# Altium PCB uTCA_MCH_PCB3.pcbdoc (part 19 of 25)
Units mil, origin at the board's own origin, x right, y up, seen from the top; angles counter-clockwise.
Board outline 7110.66 x 2894.12 mil, 12 copper layers (Top Layer, GND1, MidLayer1, PWR1, MidLayer2, GND2, PWR2, MidLayer3, GND3, MidLayer4, PWR3, Bottom Layer), stack 63.15 mil thick; 767 components, 905 nets, 4553 pads, 2832 vias.
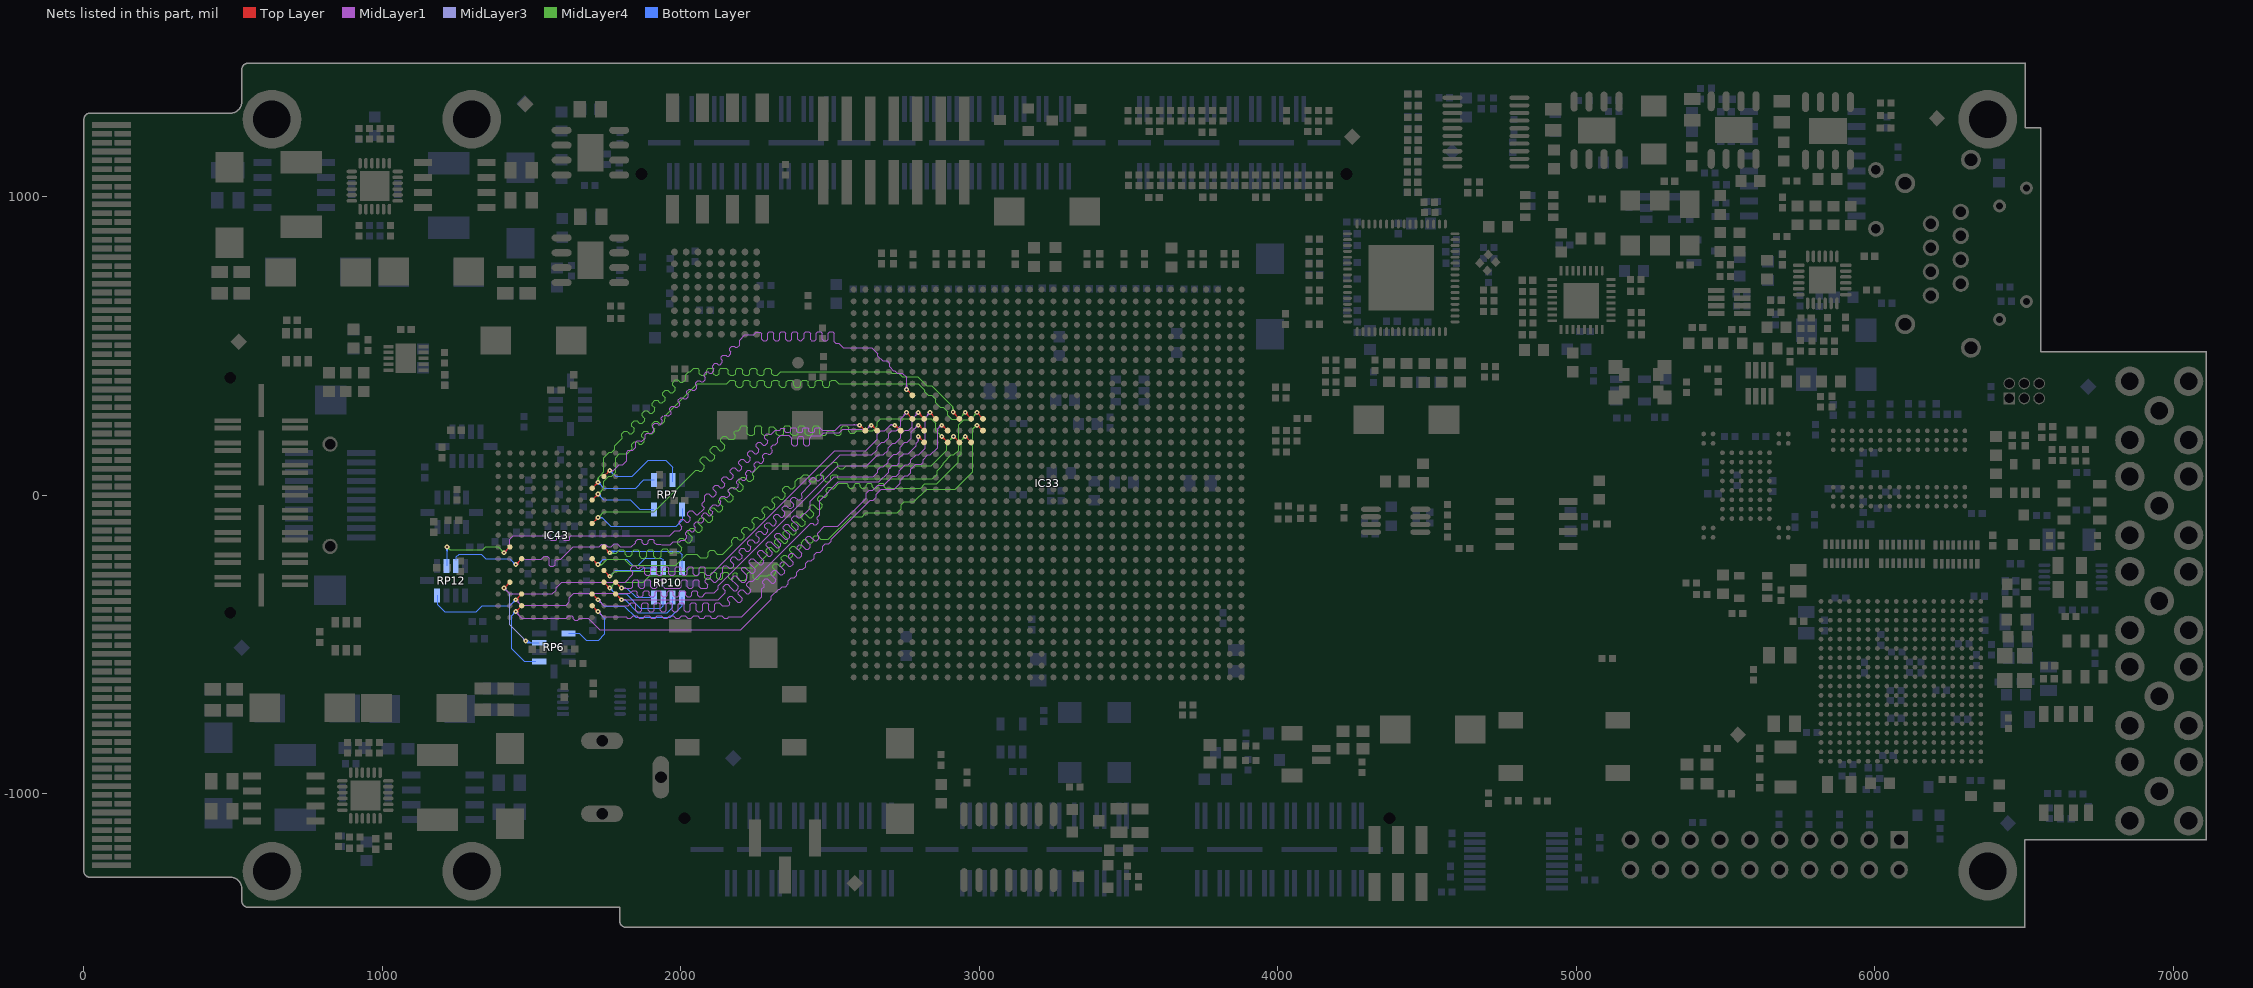
[diagram p29: the nets of this part, all layers, seen from the top]

## Via types
v1: diameter 15.75, hole 5.91, Top Layer to Bottom Layer, tented both sides, 2480 vias
v2: diameter 23.62, hole 11.81, Top Layer to Bottom Layer, tented both sides, 325 vias
v3: diameter 20, hole 10, Top Layer to Bottom Layer, tented both sides, 16 vias
v4: diameter 15.75, hole 7.87, Top Layer to Bottom Layer, tented both sides, 9 vias
v5: diameter 23.62, hole 11.81, Top Layer to Bottom Layer, 1 vias
v6: diameter 15.75, hole 5.91, Top Layer to Bottom Layer, 1 vias

## Nets (pads, with @x,y where several pads share a name; then routed paths per layer and width w, separated by ;. In a path a pad name is that pad's centre, name@x,y a point inside that pad or via, vN(x,y) a via of type N, cw(c..) or ccw(c..) an arc to the next point about the centre after c; other vN are vias at no path point) (continued)
Q2_D13: IC33.AN13 IC43.G10 RP12.3 | length 2350.1
  Top Layer w3.94: v1(1407.48,-192.91) IC43.G10@1427.17,-173.23 ; v1@1407.48,-187.01 ccw(c1407.48,-172.75) 1417.56,-182.83 ccw(c1427.64,-192.91) v1@1413.39,-192.91 ; v1@2598.42,228.35 cw(c2598.42,209.32) IC33.AN13@2611.87,222.77 ; v1@2598.42,232.28 cw(c2598.42,222.76) 2605.15,229.5 ; v1@2598.43,236.22 2599.41,235.24 IC33.AN13@2618.11,216.54 ; v1@2604.33,234.25 ccw(c2613.82,234.25) 2607.11,227.54
  MidLayer1 w3.94: v1(1407.48,-192.91) 1427.17,-173.23 1427.17,-147.64 1438.98,-135.83 1559.74,-135.83 1562.99,-139.07 1562.99,-148.33 1566.24,-151.57 1581.4,-151.57 1584.65,-148.33 1584.65,-139.07 1587.89,-135.83 1603.05,-135.83 1606.3,-139.07 1606.3,-148.33 1609.55,-151.57 1624.7,-151.57 1627.95,-148.33 1627.95,-139.07 1631.2,-135.83 1962.6,-135.83 1979.36,-119.07 1996.06,-119.07 2003.23,-111.9 2003.23,-104.72 1993.7,-95.19 1993.7,-88.02 2000.88,-80.84 2008.05,-80.84 2017.58,-90.37 2024.76,-90.37 2031.93,-83.2 2031.93,-76.02 2022.4,-66.5 2022.4,-59.32 2029.57,-52.15 2037.38,-52.15 2051.18,-65.94 2057.09,-65.94 2077.76,-45.28 2077.76,-41.34 2071.85,-35.43 2071.85,-26.57 2080.71,-17.72 2080.71,-1.01 2086.97,5.24 2094.14,5.24 2103.67,-4.28 2110.84,-4.28 2118.02,2.89 2118.02,10.06 2108.49,19.59 2108.49,26.77 2115.66,33.94 2122.84,33.94 2132.37,24.41 2139.54,24.41 2146.71,31.59 2146.71,38.76 2137.19,48.29 2137.19,55.46 2144.36,62.64 2151.53,62.64 2161.06,53.11 2168.24,53.11 2175.41,60.28 2175.41,67.46 2165.88,76.99 2165.88,84.16 2173.06,91.33 2180.23,91.33 2189.76,81.8 2196.93,81.8 2204.11,88.98 2204.11,96.15 2194.58,105.68 2194.58,112.86 2201.75,120.03 2208.93,120.03 2218.45,110.5 2225.63,110.5 2232.8,117.67 2232.8,124.85 2223.27,134.38 2223.27,141.55 2230.45,148.73 2237.62,148.73 2247.15,139.2 2254.33,139.2 2261.5,146.37 2261.5,153.54 2251.97,163.07 2251.97,170.25 2259.14,177.42 2266.32,177.42 2275.85,167.89 2283.02,167.89 2290.2,175.07 2290.2,182.24 2280.67,191.77 2280.67,198.94 2287.84,206.12 2295.01,206.12 ; v1@1407.48,-187.01 ccw(c1407.48,-172.75) 1417.56,-182.83 ccw(c1427.64,-192.91) v1@1413.39,-192.91 ; 2296.19,204.94 2303.37,204.94 2316.93,218.5 2330.91,218.5 2336.38,223.98 2345.71,223.98 2347.37,222.32 2347.37,214.69 2351.42,210.63 2363.6,210.63 2367.66,214.69 2367.66,222.32 2371.72,226.38 2383.89,226.38 2387.95,222.32 2387.95,214.69 2392.01,210.63 2404.18,210.63 2408.24,214.69 2408.24,222.32 2412.3,226.38 2424.47,226.38 2428.53,222.32 2428.53,214.69 2432.59,210.63 2444.76,210.63 2448.82,214.69 2448.82,222.32 2452.88,226.38 2465.06,226.38 2472.93,218.5 2517.72,218.5 2535.43,236.22 v1@2598.03,236.22 ; 2579.41,236.22 cw(c2579.41,215.24) v1@2594.24,230.08 ; v1@2594.24,238.43 cw(c2588.92,243.75) 2588.92,236.22 cw(c2588.91,224.74) v1@2597.03,232.86
  MidLayer4 w3.94: v1(1216.54,-173.23) 1226.38,-183.07 ; v1@1216.64,-179.13 cw(c1216.87,-192.58) 1226.38,-183.07 ; v1@1222.44,-173.33 ccw(c1235.89,-173.56) 1226.38,-183.07 ; v1@1401.57,-192.91 ccw(c1387.32,-192.91) 1397.4,-182.83 ccw(c1407.48,-172.75) v1@1407.48,-187.01 ; v1(1407.48,-192.91) 1387.79,-173.23 1346.46,-173.23 1336.61,-183.07 1226.38,-183.07
  Bottom Layer w3.94: v1@1212.36,-177.4 cw(c1202.28,-187.48) 1216.53,-187.48 cw(c1230.8,-187.49) v1@1220.71,-177.4 ; RP12.3@1216.53,-236.22 v1(1216.54,-173.23)
  other v1: 2598.42,234.25
Q2_D14: IC33.AM13 IC43.F9 RP12.4 | length 2243
  Top Layer w3.94: v1(1446.85,-232.28) IC43.F9@1466.54,-212.6 ; v1@1446.85,-226.38 ccw(c1446.85,-212.12) 1456.93,-222.2 ccw(c1467.01,-232.28) v1@1452.76,-232.28 ; v1@2637.79,228.35 cw(c2637.79,209.32) IC33.AM13@2651.24,222.77 ; v1@2637.79,232.28 cw(c2637.79,222.76) 2644.52,229.5 ; v1@2637.8,236.22 2638.78,235.24 IC33.AM13@2657.48,216.54 ; v1@2643.7,234.25 ccw(c2653.19,234.25) 2646.48,227.54
  MidLayer1 w3.94: v1(1446.85,-232.28) 1464.57,-214.57 1532.63,-214.57 1542.5,-204.7 ; v1@1446.85,-226.38 ccw(c1446.85,-212.12) 1456.93,-222.2 ccw(c1467.01,-232.28) v1@1452.76,-232.28 ; 1543.31,-204.72 1552.17,-204.72 1559.06,-211.61 1559.06,-234.18 1563.07,-238.19 1573.21,-238.19 1578.29,-233.12 1578.29,-219.64 1583.36,-214.57 1598.14,-214.57 1639.47,-173.23 1726.38,-173.23 1735.57,-164.04 1746,-164.04 1755.19,-173.23 1766.3,-173.23 1771.37,-168.16 ; 1771.37,-167.93 1776.44,-162.86 1786.58,-162.86 1796.95,-173.23 1834.04,-173.23 1848.43,-158.84 1848.43,-155.51 ; 1847.9,-155.51 1855.77,-147.64 1865.92,-147.64 1870.99,-152.71 1870.99,-158.31 1876.06,-163.39 1886.21,-163.39 1891.28,-158.31 1891.28,-152.71 1896.35,-147.64 1906.5,-147.64 1911.57,-152.71 1911.57,-158.31 1916.64,-163.39 1933.07,-163.39 1936.02,-166.34 1964.42,-166.34 1975.25,-155.51 1996.06,-155.51 2001.26,-150.32 2012.39,-150.32 2019.57,-143.14 2019.57,-135.97 2017.59,-133.99 2015.6,-132.01 2015.6,-124.83 2022.78,-117.66 2029.95,-117.66 2031.93,-119.64 2033.91,-121.62 2041.09,-121.62 2048.26,-114.45 2048.26,-107.27 2046.28,-105.29 2044.3,-103.31 2044.3,-96.14 2051.47,-88.96 2058.65,-88.96 2060.63,-90.95 2062.61,-92.93 2069.78,-92.93 2076.96,-85.75 2076.96,-78.58 2069.88,-71.5 2069.88,-67.91 2078.74,-59.06 2083.66,-59.06 2093.5,-68.9 2098.43,-68.9 2106.3,-61.02 2106.3,-56.1 2098.43,-48.23 2098.43,-42.01 2108.87,-31.57 2116.04,-31.57 2118.02,-33.55 2120,-35.53 2127.18,-35.53 2134.35,-28.36 2134.35,-21.19 2132.37,-19.2 2130.39,-17.22 2130.39,-10.05 2137.56,-2.88 2144.74,-2.88 2146.72,-4.86 2148.7,-6.84 2155.87,-6.84 2163.05,0.34 2163.05,7.51 2161.07,9.49 2159.09,11.47 2159.09,18.65 2166.26,25.82 2173.43,25.82 2175.41,23.84 2177.4,21.86 2184.57,21.86 2191.74,29.03 2191.74,36.21 2189.76,38.19 2187.78,40.17 2187.78,47.34 2194.96,54.52 2202.13,54.52 2204.11,52.54 2206.09,50.56 2213.27,50.56 2220.44,57.73 2220.44,64.9 2218.46,66.88 2216.48,68.86 2216.48,76.04 2223.65,83.21 2230.83,83.21 2232.81,81.23 2234.79,79.25 2241.96,79.25 2249.14,86.43 2249.14,93.6 2247.16,95.58 2245.17,97.56 2245.17,104.74 2252.35,111.91 2259.52,111.91 2261.5,109.93 2263.48,107.95 2270.66,107.95 2277.83,115.12 2277.83,122.3 2275.85,124.28 2273.87,126.26 2273.87,133.43 2281.04,140.61 2288.22,140.61 2290.2,138.62 2292.18,136.64 2299.35,136.64 2306.53,143.82 2306.53,150.99 2304.55,152.97 2302.57,154.95 2302.57,162.13 2309.74,169.3 2316.91,169.3 2324.8,177.19 2324.8,190.94 2334.84,200.98 2361.78,200.98 2370.99,191.78 2370.99,170.43 2376.06,165.35 2386.21,165.35 2391.28,170.43 2391.28,191.78 2396.35,196.85 2406.5,196.85 2411.57,191.78 2411.57,170.43 2416.64,165.35 2426.79,165.35 2431.86,170.43 2431.86,191.78 2438.9,198.82 2468.5,198.82 2478.35,208.66 2530.87,208.66 2542.91,220.71 2622.28,220.71 2636.81,235.23 v1@2637.79,236.22 ; 2624.36,222.78 cw(c2637.79,209.35) v1@2637.79,228.35 ; 2629.1,227.52 ccw(c2622.37,234.25) v1@2631.88,234.25 ; 2631.08,229.5 cw(c2637.79,222.79) v1@2637.79,232.28
  Bottom Layer w3.94: RP12.4@1248.03,-218.5 1248.03,-206.69 1257.87,-196.85 1330.71,-196.85 1346.46,-212.6 1427.16,-212.6 v1(1446.85,-232.28) ; v1@1440.94,-232.28 ccw(c1426.69,-232.28) 1436.77,-222.2 ccw(c1446.85,-212.12) v1@1446.85,-226.38
  other v1: 2637.79,234.25
Q2_D15: IC33.AK13 IC43.D10 RP6.4 | length 2348
  Top Layer w3.94: v1(1407.48,-311.02) IC43.D10@1427.17,-291.34 ; v1@1407.48,-305.12 ccw(c1407.48,-290.86) 1417.56,-300.94 ccw(c1427.64,-311.02) v1@1413.39,-311.02 ; v1@2716.53,228.35 cw(c2716.53,209.32) IC33.AK13@2729.98,222.77 ; v1@2716.53,232.28 cw(c2716.53,222.76) 2723.26,229.49 ; v1@2716.54,236.22 2717.52,235.24 IC33.AK13@2736.22,216.54 ; v1@2722.44,234.25 ccw(c2731.93,234.25) 2725.22,227.54
  MidLayer1 w3.94: v1@1407.48,-316.93 cw(c1407.48,-331.19) 1417.56,-321.11 cw(c1427.64,-311.02) v1@1413.39,-311.02 ; v1(1407.48,-311.02) 1427.16,-330.71 1569.19,-330.71 1581.87,-318.03 1581.87,-309.57 1600.1,-291.34 1812.99,-291.34 1839.06,-265.27 1839.06,-258.09 1832.05,-251.07 1832.05,-243.9 1839.22,-236.73 1846.39,-236.73 1853.41,-243.74 1860.59,-243.74 1864.17,-240.16 1873.78,-240.16 1878.85,-245.23 1878.85,-262.64 1883.93,-267.72 1894.07,-267.72 1899.15,-262.64 1899.15,-245.23 1904.22,-240.16 1914.36,-240.16 1919.44,-245.23 1919.44,-262.64 1924.51,-267.72 1934.66,-267.72 1939.73,-262.64 1939.73,-245.23 1944.8,-240.16 1954.95,-240.16 1960.02,-245.23 1960.02,-262.64 1965.09,-267.72 1975.24,-267.72 1980.31,-262.64 1980.31,-245.23 1985.38,-240.16 1995.53,-240.16 2000.6,-245.23 2000.6,-262.64 2005.68,-267.72 2015.82,-267.72 2020.89,-262.64 2020.89,-245.23 2025.97,-240.16 2036.11,-240.16 2041.19,-245.23 2041.19,-262.64 2046.26,-267.72 2056.4,-267.72 2061.48,-262.64 2061.48,-245.23 2066.55,-240.16 2076.7,-240.16 2081.77,-245.23 2081.77,-262.64 2086.84,-267.72 2098.43,-267.72 2515.75,149.61 2559.06,149.61 ; 2559.37,149.29 2619.76,149.29 2657.48,187.01 2657.48,204.72 2669.29,216.54 2683.07,216.54 2702.76,236.22 ; 2707.03,236.22 ccw(c2707.03,243.75) v1@2712.35,238.43 ; v1@2711.44,231.26 ccw(c2702.76,226.15) 2702.76,236.22 ; v1@2715.75,236.22 2702.76,236.22
  MidLayer3 w3.94: v1@1407.48,-316.93 cw(c1407.48,-331.19) 1417.56,-321.11 cw(c1427.64,-311.02) v1@1413.39,-311.02 ; v1(1407.48,-311.02) 1425.98,-329.53 1425.98,-433.86 v1@1479.53,-487.4 ; v1@1474.41,-488.19 ccw(c1460.15,-488.19) 1470.23,-478.11 ccw(c1480.32,-468.03) v1@1480.32,-482.28
  Bottom Layer w3.94: v1@1478.92,-489.58 ccw(c1489.82,-478.68) 1489.82,-494.09 ; v1(1480.32,-488.19) 1486.22,-494.09 RP6.4@1525.59,-494.09 ; v1@1481.71,-486.8 ccw(c1499.33,-469.18) 1499.33,-494.09 ; v1@1484.49,-484.01 ccw(c1508.83,-459.67) RP6.4@1508.83,-494.09
  other v1: 2716.53,234.25
Q2_D16: IC33.AH12 IC43.C9 RP12.10 | length 2336.8
  Top Layer w3.94: v1(1446.85,-350.39) IC43.C9@1466.54,-330.71 ; v1@1446.85,-344.49 ccw(c1446.85,-330.23) 1456.93,-340.31 ccw(c1467.01,-350.39) v1@1452.76,-350.39 ; v1@2795.08,271.43 cw(c2795.08,260.91) 2802.52,268.35 ; v1@2795.28,275.59 IC33.AH12@2814.96,255.91 ; v1@2800.98,277.34 ccw(c2818.97,277.34) 2806.25,264.62
  MidLayer1 w3.94: v1@1446.85,-356.3 cw(c1446.85,-370.56) 1456.93,-360.48 cw(c1467.01,-350.39) v1@1452.76,-350.39 ; v1(1446.85,-350.39) 1464.57,-368.11 1616.14,-368.11 1626.79,-357.46 1626.79,-343.39 1641.44,-328.74 1828.51,-328.74 1838.05,-319.2 1848.2,-319.2 1853.27,-324.27 1853.27,-335.48 1858.34,-340.55 1868.49,-340.55 1873.56,-335.48 1873.56,-324.27 1878.64,-319.2 1888.78,-319.2 1893.85,-324.27 1893.85,-335.48 1898.93,-340.55 1909.07,-340.55 1914.15,-335.48 1914.15,-324.27 1919.22,-319.2 1929.36,-319.2 1934.44,-324.27 1934.44,-335.48 1939.51,-340.55 1949.66,-340.55 1954.73,-335.48 1954.73,-324.27 1959.8,-319.2 1969.95,-319.2 1975.02,-324.27 1975.02,-335.48 1980.09,-340.55 1990.24,-340.55 1995.31,-335.48 1995.31,-324.27 2000.38,-319.2 2010.53,-319.2 2015.6,-324.27 2015.6,-335.48 2020.67,-340.55 2030.82,-340.55 2035.89,-335.48 2035.89,-324.27 2040.97,-319.2 2051.11,-319.2 2056.18,-324.27 2056.18,-335.48 2061.26,-340.55 2071.4,-340.55 2076.48,-335.48 ; 2076.48,-333.81 2083.52,-326.77 2112.2,-326.77 2125.98,-312.99 2125.98,-303.15 2527.56,98.43 2622.13,98.43 2635.83,112.13 ; 2633.56,109.76 2658.82,135.02 2678.62,135.02 2694.07,150.48 2694.07,158.94 2709.53,174.39 2717.99,174.39 2736.22,192.62 2736.22,204.72 2750,218.5 ; 2752.09,218.33 2763.65,218.33 2775.59,230.27 2775.59,255.91 v1@2795.27,275.59 ; 2783.62,263.94 ccw(c2770.22,277.34) v1@2789.17,277.34 ; 2788.31,268.63 cw(c2795.08,261.87) v1@2795.08,271.43 ; 2790.34,270.66 ccw(c2783.66,277.34) v1@2793.11,277.34
  Bottom Layer w3.94: RP12.10@1185.04,-334.64 1185.04,-335.44 1185.04,-366.14 1208.66,-389.76 1314.29,-389.76 1333.97,-370.08 1344.49,-370.08 1427.17,-370.08 v1(1446.85,-350.39) ; v1@1440.94,-350.39 cw(c1426.69,-350.39) 1436.77,-360.48 cw(c1446.85,-370.56) v1@1446.85,-356.3
  other v1: 2795.08,277.34
Q2_D17: IC33.AF13 IC43.B9 RP6.2 | length 2273.9
  Top Layer w3.94: v1(1446.85,-389.76) IC43.B9@1466.54,-370.08 ; v1@1446.85,-383.86 ccw(c1446.85,-369.6) 1456.93,-379.68 ccw(c1467.01,-389.76) v1@1452.76,-389.76 ; v1@2874.01,228.35 cw(c2874.01,209.32) IC33.AF13@2887.46,222.77 ; v1@2874.01,232.28 cw(c2874.01,222.76) 2880.74,229.49 ; v1@2874.02,236.22 2875,235.24 IC33.AF13@2893.7,216.54 ; v1@2879.92,234.25 ccw(c2889.41,234.25) 2882.7,227.54
  MidLayer1 w3.94: v1@1446.85,-395.67 cw(c1446.85,-405.18) 1453.57,-398.46 ; v1@1446.85,-391.73 1466.54,-411.42 1615.76,-411.42 1623.64,-403.54 1633.78,-403.54 1638.85,-408.62 1638.85,-414.22 1643.93,-419.29 1654.07,-419.29 1661.95,-411.42 1689.27,-411.42 1699.98,-422.13 ; v1@1448.82,-389.76 ccw(c1458.32,-389.76) 1451.6,-396.48 ; v1@1452.76,-389.76 ccw(c1471.76,-389.76) 1458.32,-403.2 ; 1699.98,-422.42 1728.35,-450.79 2200.79,-450.79 2302.78,-348.8 2302.78,-338.95 2327.2,-314.53 2331.48,-314.53 2340.26,-305.75 2351.39,-305.75 2360.17,-296.97 2360.17,-285.84 2368.95,-277.06 2380.09,-277.06 2388.87,-268.27 2388.87,-257.14 2397.65,-248.36 2408.78,-248.36 2417.56,-239.58 2417.56,-228.44 2426.34,-219.66 2437.48,-219.66 2446.26,-210.88 2446.26,-199.75 2455.04,-190.97 2466.18,-190.97 2474.96,-182.19 2474.96,-171.05 2483.74,-162.27 2494.87,-162.27 2503.65,-153.49 2503.65,-147.92 2634.67,-16.91 2644.8,-16.91 2654.7,-7 2654.7,3.13 2671.26,19.68 2714.95,19.68 2735.43,40.17 2735.43,50.79 2750,65.35 2760.61,65.35 2770.08,74.82 2770.08,87.8 2786.22,103.94 2805.01,103.94 2812.18,111.11 2812.18,119.57 2827.64,135.02 2836.1,135.02 2860.24,159.16 2860.24,222.44 2873.03,235.23 v1@2874.02,236.22 ; 2860.57,222.78 cw(c2874.01,209.34) v1@2874.01,228.35 ; 2865.32,227.53 ccw(c2858.59,234.25) v1@2868.1,234.25 ; 2867.29,229.5 cw(c2874.01,222.78) v1@2874.01,232.28
  Bottom Layer w3.94: v1@1440.94,-389.76 cw(c1426.69,-389.76) 1436.77,-399.85 cw(c1446.85,-409.93) v1@1446.85,-395.67 ; v1(1446.85,-389.76) 1432.68,-403.94 1432.68,-513.78 1475.59,-556.69 RP6.2@1512.99,-556.69
  other v1: 2874.01,234.25
Q2_D18: IC33.AG12 IC43.B3 RP6.7 | length 2258
  Top Layer w3.94: IC43.B3@1702.76,-370.08 v1(1722.44,-389.76) ; v1@1716.54,-389.76 ccw(c1702.28,-389.76) 1712.36,-379.68 ccw(c1722.44,-369.6) v1@1722.44,-383.86 ; v1@2834.64,271.65 cw(c2834.64,262.15) 2841.37,268.87 ; v1@2834.64,275.59 IC33.AG12@2854.33,255.91 ; v1@2836.61,277.56 ccw(c2846.11,277.56) 2839.4,270.84 ; v1@2840.55,277.56 ccw(c2859.56,277.56) 2846.12,264.12
  MidLayer1 w3.94: v1@1722.44,-395.67 cw(c1722.44,-409.93) 1732.52,-399.85 cw(c1742.6,-389.76) v1@1728.35,-389.76 ; v1(1722.44,-389.76) 1740.16,-407.48 1816.16,-407.48 1820.1,-411.42 1832.52,-411.42 1840.39,-403.54 1852.81,-403.54 1860.68,-411.42 1873.1,-411.42 1880.97,-403.54 1893.39,-403.54 1901.26,-411.42 1913.68,-411.42 1921.56,-403.54 1933.97,-403.54 1941.85,-411.42 1954.26,-411.42 1962.14,-403.54 1974.56,-403.54 1982.43,-411.42 1994.85,-411.42 2002.72,-403.54 2015.14,-403.54 2023.01,-411.42 2035.43,-411.42 2043.3,-403.54 2055.72,-403.54 2063.59,-411.42 2076.01,-411.42 2083.89,-403.54 2096.3,-403.54 2104.18,-411.42 2116.59,-411.42 2124.47,-403.54 2136.89,-403.54 2144.76,-411.42 2157.18,-411.42 2161.11,-407.48 2203.43,-407.48 2271.65,-339.25 2271.65,-312.99 2278.68,-305.97 2278.68,-298.8 2274.71,-294.83 2274.71,-287.66 2281.89,-280.49 2289.06,-280.49 2304.16,-295.58 2311.33,-295.58 2318.51,-288.41 2318.51,-281.24 2303.41,-266.14 2303.41,-258.96 2310.58,-251.79 2317.76,-251.79 2332.86,-266.89 2340.03,-266.89 2347.2,-259.71 2347.2,-252.54 2339.66,-244.99 2332.11,-237.44 2332.11,-230.27 2339.28,-223.09 2346.45,-223.09 2361.55,-238.19 2368.73,-238.19 2375.9,-231.02 2375.9,-223.84 2360.8,-208.75 2360.8,-201.57 2367.98,-194.4 2375.15,-194.4 2390.25,-209.49 2397.42,-209.49 2404.6,-202.32 2404.6,-195.15 2389.5,-180.05 2389.5,-172.88 2396.67,-165.7 2403.85,-165.7 2418.94,-180.8 2426.12,-180.8 2433.29,-173.62 2433.29,-166.45 2425.74,-158.9 2418.2,-151.35 2418.2,-144.18 2425.37,-137.01 2432.54,-137.01 2447.64,-152.1 2454.81,-152.1 2461.99,-144.93 2461.99,-137.75 2458.03,-133.79 2458.03,-126.62 2480.32,-104.33 2525.88,-104.33 2620.88,-9.33 2620.88,7 2630.79,16.91 2642.89,16.91 2659.45,33.46 2679.92,33.46 2709.84,63.39 2720.87,63.39 2731.89,74.41 2731.89,82.68 2751.57,102.36 2762.2,102.36 2770.87,111.02 2770.87,118.11 2787.78,135.02 2796.73,135.02 2818.9,157.19 2818.9,259.85 v1@2834.64,275.59 ; 2823.17,264.12 ccw(c2809.73,277.56) v1@2828.74,277.56 ; 2827.92,268.87 cw(c2834.64,262.14) v1@2834.64,271.65 ; 2829.89,270.84 ccw(c2823.17,277.56) v1@2832.68,277.56
  Bottom Layer w3.94: RP6.7@1624.02,-462.6 1659.45,-462.6 1682.28,-485.43 1724.02,-485.43 1745.67,-463.78 1745.67,-413.39 v1@1722.83,-390.55 ; v1@1722.44,-395.67 cw(c1722.44,-408.98) 1731.85,-399.57 ; v1@1728.35,-389.76 ccw(c1743.55,-389.76) 1732.8,-400.52
  other v1: 2834.64,277.56
Q2_D19: IC33.AH14 IC43.C3 RP10.7 | length 2376.4
  Top Layer w3.94: IC43.C3@1702.76,-330.71 v1(1722.44,-350.39) ; v1@1716.54,-350.39 ccw(c1702.28,-350.39) 1712.36,-340.31 ccw(c1722.44,-330.23) v1@1722.44,-344.49 ; v1@2795.27,190.95 cw(c2795.27,176.69) 2805.36,186.77 cw(c2815.44,196.85) v1@2801.18,196.85 ; v1(2795.27,196.85) IC33.AH14@2814.96,177.17
  MidLayer1 w3.94: v1@1722.44,-356.3 cw(c1722.44,-370.56) 1732.52,-360.48 cw(c1742.6,-350.39) v1@1728.35,-350.39 ; v1(1722.44,-350.39) 1742.13,-370.08 1823.97,-370.08 1829.04,-365.01 ; 1829.04,-364.68 1834.12,-359.61 1844.26,-359.61 1849.33,-364.68 1849.33,-384.69 1854.41,-389.76 1864.55,-389.76 1869.63,-384.69 1869.63,-364.68 1874.7,-359.61 1884.84,-359.61 1889.92,-364.68 1889.92,-384.69 1894.99,-389.76 1905.14,-389.76 1910.21,-384.69 1910.21,-364.68 1915.28,-359.61 1925.43,-359.61 1930.5,-364.68 1930.5,-384.69 1935.57,-389.76 1945.72,-389.76 1950.79,-384.69 1950.79,-364.68 1955.86,-359.61 1966.01,-359.61 1971.08,-364.68 1971.08,-384.69 1976.16,-389.76 1986.3,-389.76 1991.37,-384.69 1991.37,-364.68 1996.45,-359.61 2006.59,-359.61 2011.66,-364.68 2011.66,-384.69 2016.74,-389.76 2026.88,-389.76 2031.96,-384.69 2031.96,-364.68 2037.03,-359.61 2047.17,-359.61 2052.25,-364.68 2052.25,-384.69 2057.32,-389.76 2067.47,-389.76 2072.54,-384.69 2072.54,-364.68 2077.61,-359.61 2087.76,-359.61 2092.83,-364.68 2092.83,-384.69 2097.9,-389.76 2108.05,-389.76 2113.12,-384.69 2113.12,-364.68 2118.19,-359.61 2128.34,-359.61 2133.41,-364.68 ; 2133.41,-365.01 2138.49,-370.08 2159.45,-370.08 2163.04,-366.49 2163.04,-359.32 2156.29,-352.57 2156.29,-345.4 2163.46,-338.22 2170.64,-338.22 2180.97,-348.56 2191.3,-358.89 2198.48,-358.89 2205.65,-351.71 2205.65,-344.54 2195.32,-334.21 2192.76,-331.65 2192.76,-324.48 2199.94,-317.3 2207.11,-317.3 2220,-330.19 2227.17,-330.19 2234.35,-323.02 2234.35,-315.84 2221.46,-302.96 2221.46,-295.78 2228.63,-288.61 2240.92,-288.61 2435.04,-94.49 2441.21,-94.49 2445.67,-98.95 2452.85,-98.95 2460.02,-91.78 2460.02,-84.6 2456.06,-80.64 2456.06,-73.47 2464.57,-64.96 2464.57,-17.72 2527.56,45.28 2663.39,45.28 2695.87,77.76 2695.87,87.6 2708.66,100.39 2724.41,100.39 2732.28,108.27 2732.28,125.98 2746.06,139.76 2761.81,139.76 2788.56,166.52 2788.56,174.39 2795.27,181.1 v1(2795.27,196.85) ; v1@2791.1,192.68 cw(c2781.02,182.59) 2795.27,182.59 cw(c2809.53,182.59) v1@2799.45,192.68
  Bottom Layer w3.94: v1@1722.44,-356.3 cw(c1722.44,-370.56) 1732.52,-360.48 cw(c1742.6,-350.39) v1@1728.35,-350.39 ; v1(1722.44,-350.39) 1743.6,-371.56 1810.53,-371.56 1848.43,-409.45 1964.57,-409.45 2003.94,-370.08 RP10.7@2003.94,-342.52
Q2_D20: IC33.AC13 IC43.D2 RP10.9 | length 2278.6
  Top Layer w3.94: IC43.D2@1742.13,-291.34 v1(1761.81,-311.02) ; v1@1755.91,-311.02 ccw(c1741.65,-311.02) 1751.73,-300.94 ccw(c1761.81,-290.86) v1@1761.81,-305.12 ; v1@2992.12,228.35 cw(c2992.12,209.32) IC33.AC13@3005.57,222.77 ; v1@2992.12,232.28 cw(c2992.12,222.76) 2998.85,229.49 ; v1@2992.13,236.22 2993.11,235.24 IC33.AC13@3011.81,216.54 ; v1@2998.03,234.25 ccw(c3007.51,234.25) 3000.8,227.54
  MidLayer4 w3.94: v1(1761.81,-311.02) 1781.5,-291.34 1873.23,-291.34 1894.88,-269.68 2054.29,-269.68 2059.36,-264.61 ; v1@1761.81,-305.12 ccw(c1761.81,-290.86) 1771.89,-300.94 ccw(c1781.97,-311.02) v1@1767.72,-311.02 ; 2059.36,-262.95 2064.43,-257.87 2074.58,-257.87 2079.65,-262.95 2079.65,-276.42 2084.72,-281.5 2094.87,-281.5 2099.94,-276.42 2099.94,-262.95 2105.01,-257.87 2115.16,-257.87 2120.23,-262.95 2120.23,-276.42 2125.3,-281.5 2135.45,-281.5 2140.52,-276.42 2140.52,-262.95 2145.6,-257.87 2155.74,-257.87 2160.81,-262.95 2160.81,-276.42 2165.89,-281.5 2171.81,-281.5 2176.02,-277.28 2176.02,-263.07 2179.96,-259.13 2185.08,-259.13 2188.82,-262.87 2188.82,-277.01 2196.06,-284.25 2213.86,-284.25 2221.69,-276.42 2221.69,-262.95 2226.76,-257.87 2236.91,-257.87 2241.98,-262.95 2241.98,-276.42 2247.05,-281.5 2257.2,-281.5 2262.27,-276.42 ; 2262.27,-274.76 2267.34,-269.68 2291.34,-269.68 2294.93,-266.1 2302.1,-266.1 ; 2303.28,-267.28 2310.45,-267.28 2317.63,-260.1 2317.63,-252.93 2312.86,-248.16 2308.1,-243.4 2308.1,-236.22 2315.27,-229.05 2322.44,-229.05 2327.21,-233.81 2331.97,-238.58 2339.15,-238.58 2346.32,-231.41 2346.32,-224.23 2341.56,-219.47 2336.79,-214.7 2336.79,-207.53 2343.97,-200.35 2351.14,-200.35 2360.67,-209.88 2367.84,-209.88 2375.02,-202.71 2375.02,-195.53 2365.49,-186.01 2365.49,-178.83 2372.66,-171.66 2379.84,-171.66 2389.37,-181.19 2396.54,-181.19 2403.71,-174.01 2403.71,-166.84 ; 2402.54,-165.66 2402.54,-158.49 2413.39,-147.64 2418.46,-147.64 2423.53,-152.71 ; 2423.53,-154.38 2428.6,-159.45 2438.75,-159.45 2443.82,-154.38 2443.82,-140.9 2448.9,-135.83 2459.04,-135.83 2464.11,-140.9 ; 2464.11,-142.57 2469.19,-147.64 2494.09,-147.64 2569.99,-71.74 2607.4,-71.74 2620.08,-59.06 2724.41,-59.06 2738.99,-44.47 2738.99,-32.37 2748.9,-22.46 2780.69,-22.46 2823.01,19.86 2840.42,19.86 ; 2840.6,19.68 2919.43,19.68 2978.13,78.39 2978.13,194.49 2978.17,194.53 2978.17,222.27 2991.14,235.23 v1@2992.12,236.22 ; 2978.69,222.78 cw(c2992.12,209.35) v1@2992.12,228.35 ; 2983.43,227.52 ccw(c2976.7,234.25) v1@2986.21,234.25 ; 2985.41,229.5 cw(c2992.12,222.79) v1@2992.12,232.28